# Altium PCB Video_Processing_Board.PcbDoc (part 1 of 3)
Units mm, origin at the board's own origin, x right, y up, seen from the top; angles counter-clockwise.
Board outline 40.63 x 59.74 mm, 6 copper layers (L1[SIG], L2[GND], L3[SIG], L4[PWR], L5[GND], L6[SIG]), stack 1.559 mm thick; 308 components, 259 nets, 1353 pads, 4 vias.
Unrouted connection lines stored in the file: 775.
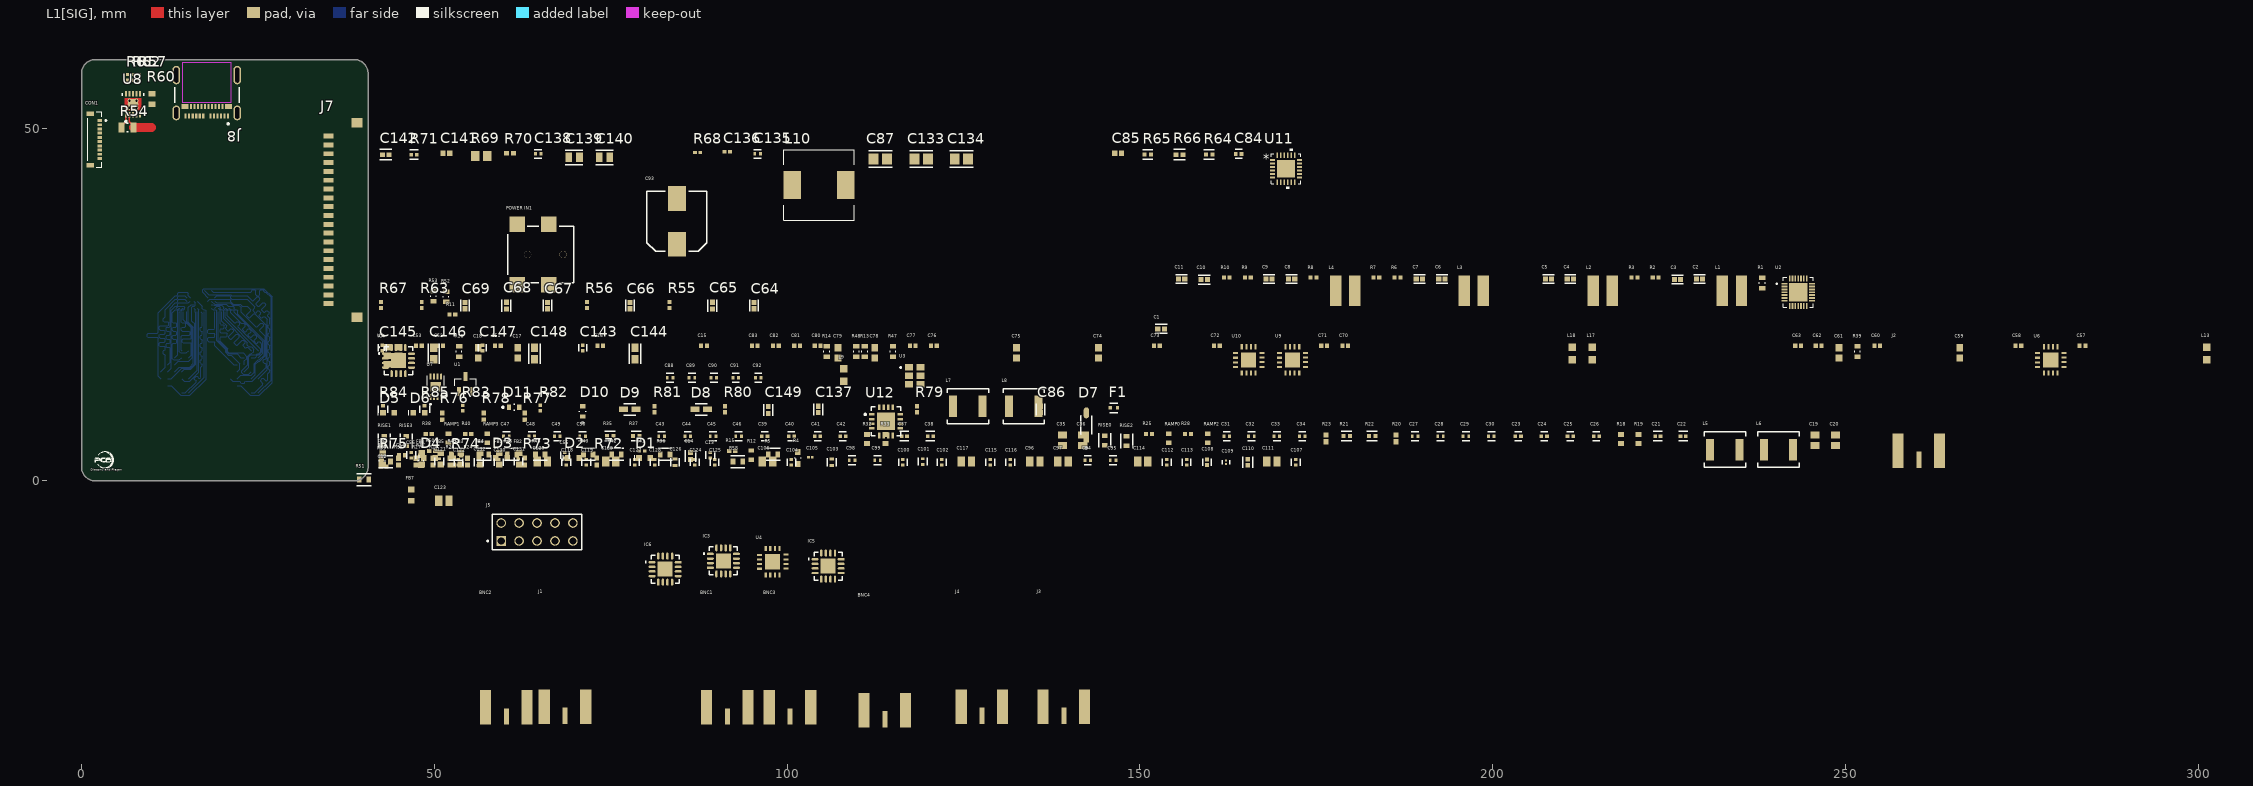
[diagram p0: L1[SIG] view]
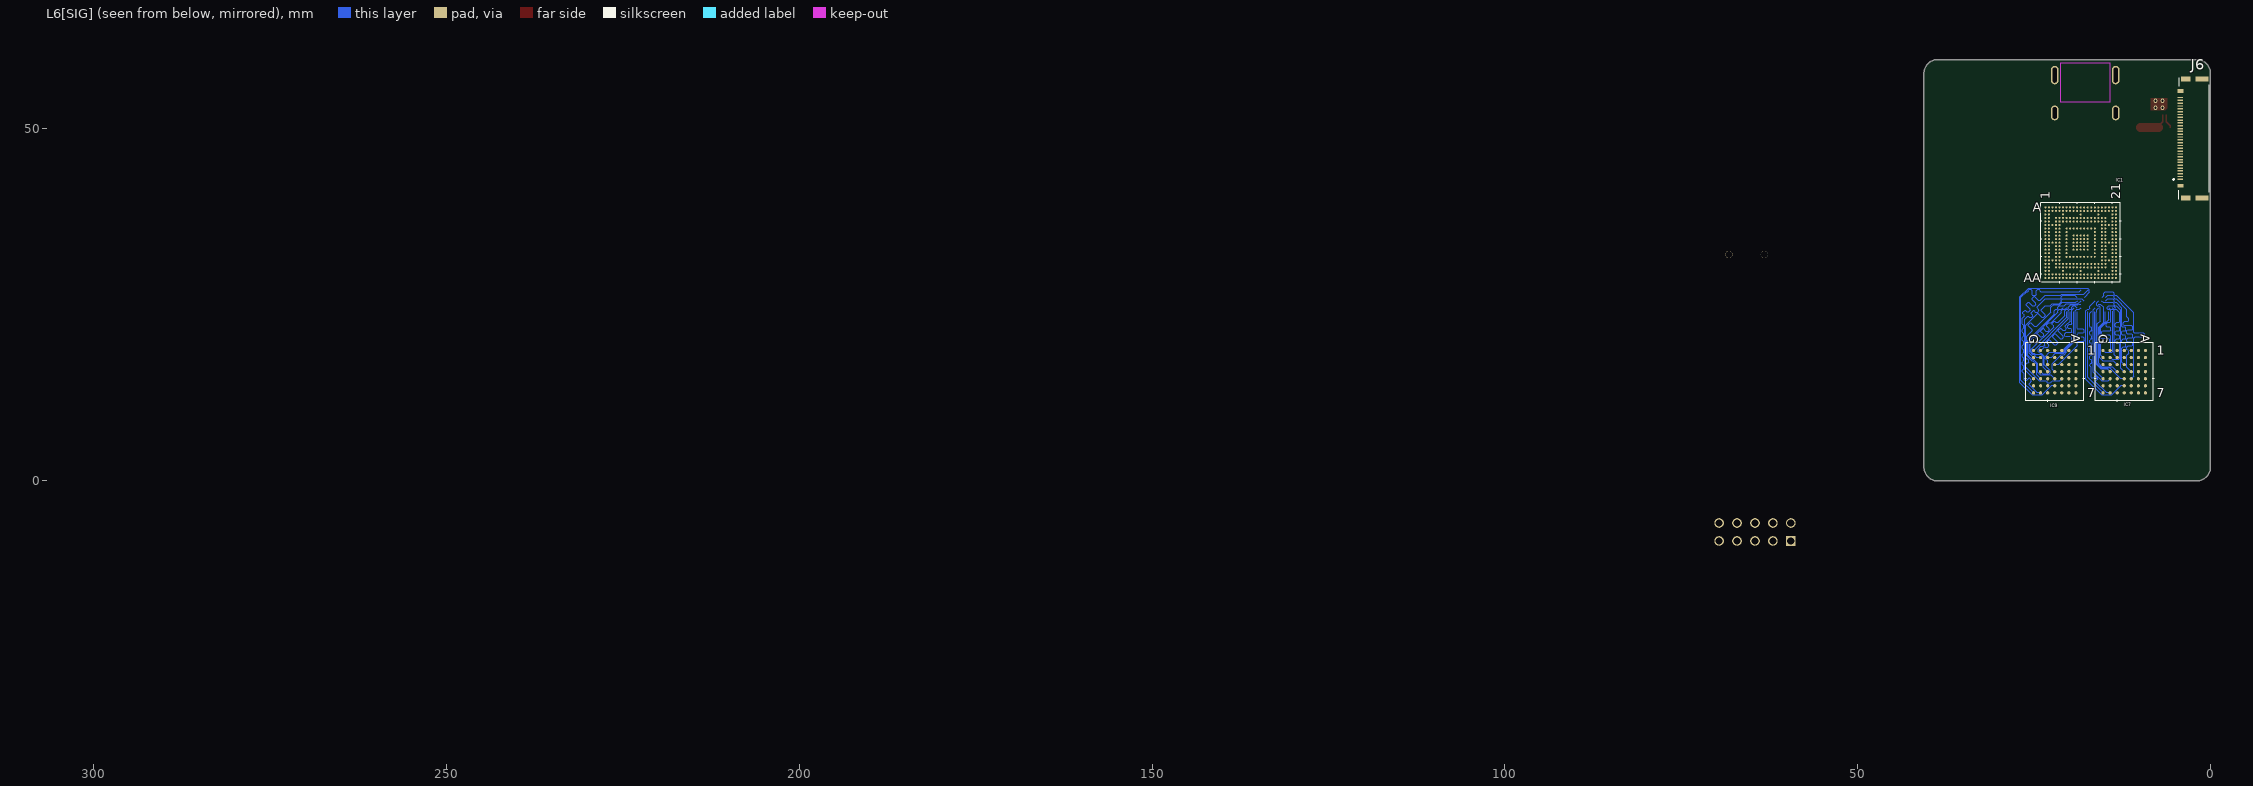
[diagram p1: L6[SIG] view, seen from below]

## Layer stack, top to bottom
Top Solder: solder mask 0.0203, Solder Resist, Dk 3.8
L1[SIG]: signal copper 0.0175
Dielectric 1: prepreg 0.1651, PP-015, Dk 4.7
L2[GND]: signal copper 0.035
Dielectric 2: core 0.3556, Core-024, Dk 4.7
L3[SIG]: signal copper 0.035
Dielectric 3: prepreg 0.3556, PP-017, Dk 4.7
L4[PWR]: signal copper 0.035
Dielectric 4: core 0.3557, Core-024, Dk 4.7
L5[GND]: signal copper 0.035
Dielectric 5: prepreg 0.1524, PP-015, Dk 4.7
L6[SIG]: signal copper 0.0175
Bottom Solder: solder mask 0.0203, Solder Resist, Dk 3.8

## Board outline
0,2 ccw(c2,2) 2,0 38.628,0 ccw(c38.628,2) 40.628,2 40.628,57.737 40.629,57.737 ccw(c38.629,57.737) 38.629,59.737 2,59.737 ccw(c2,57.737) 0,57.737

## Design rules (kind name [scope] priority, off if disabled: settings)
AssemblyTestPointUsage [All] p1 off: valid=2
AssemblyTestpoint [ispad and OnCopper and InComponent('TP*')] p1: testpointundercomponent=TRUE minsize=0.8 maxsize=2.5 preferedsize=1 minholesize=0 maxholesize=0 preferedholesize=0 testpointgrid=2.5 usegrid=FALSE gridoriginx=64 gridoriginy=115 gridtolerance=0.1 allowsidetop=TRUE minspacing=2.5
BoardOutlineClearance [All -InComponent('CON*') -InComponent('MH*')  -InPadClass('MH') -IsText and OnSilkscreen -IsArc and IsKeepOut  -InComponent('LAB4')] p1: gap=0.1 ignorepadtopadclearanceinfootprint=FALSE except(0: Arc-SplitContinuation Track-SplitContinuation SMDPad-SplitContinuation THPad-SplitContinuation Via-SplitContinuation Fill-SplitContinuation Poly-SplitContinuation Region-SplitContinuation Text-SplitContinuation)
Clearance Clearance_BGA [WithinRoom('BGA')] p1: gap=0.07 ignorepadtopadclearanceinfootprint=FALSE
Clearance "Clearance Common" [All] p2: gap=0.08 ignorepadtopadclearanceinfootprint=FALSE except(0.127: THPad-THPad THPad-Via Via-Via; 0.2: Fill-Fill Fill-Poly Fill-Region Poly-Poly Poly-Region Region-Region)
ComponentClearance [All] p1: gap=0.2 collisioncheckmode=3 verticalgap=0.5 showdistances=TRUE
DiffPairsRouting [IsDifferentialPair] p1: maxlimit=0.15 minlimit=0.15 mostfreqgap=0.15 toplayer_minwidth=0.08 toplayer_maxwidth=0.127 toplayer_prefwidth=0.127 midlayer1_minwidth=0.08 midlayer1_maxwidth=0.127 midlayer1_prefwidth=0.127 midlayer2_minwidth=0.08 midlayer2_maxwidth=0.127 midlayer2_prefwidth=0.127 midlayer3_minwidth=0.08 midlayer3_maxwidth=0.127 midlayer3_prefwidth=0.127 midlayer4_minwidth=0.08 midlayer4_maxwidth=0.127 midlayer4_prefwidth=0.127 bottomlayer_minwidth=0.08 bottomlayer_maxwidth=0.127 bottomlayer_prefwidth=0.127 maxuncoupledlength=12.7
FabricationTestPointUsage [All] p1: valid=2 allowmultiple=FALSE
FabricationTestPointUsage TestPointUsage [All] p2: valid=0 allowmultiple=FALSE
FabricationTestpoint [All] p1: side=1 testpointundercomponent=TRUE minsize=0.8 maxsize=2.5 preferedsize=1 minholesize=0 maxholesize=0 preferedholesize=0 testpointgrid=2.5 allowsidetop=TRUE usegrid=FALSE gridoriginx=64 gridoriginy=115 gridtolerance=0.1 minspacing=2.5 compbodyclearance=0.5 boardedgeclearance=0.5
FabricationTestpoint Testpoint [All] p2: side=3 testpointundercomponent=TRUE minsize=1.016 maxsize=2.54 preferedsize=1.524 minholesize=0 maxholesize=1.016 preferedholesize=0.813 testpointgrid=0.025 allowsidetop=TRUE allowsidebottom=TRUE usegrid=TRUE gridtolerance=0
Height [All] p1: minheight=0 maxheight=40 prefheight=1
HoleSize [All] p1: absolutevalues=TRUE maxlimit=15 minlimit=0.2 maxpercent=80.000 minpercent=20.000
HoleToHoleClearance HoleToHoleClearance_VIA [ISVIA vs IsVia] p1: gap=0.254 allowstackedmicrovias=TRUE
HoleToHoleClearance [All] p2: gap=0.5 allowstackedmicrovias=TRUE
MatchedLengths MatchedLengths_LVDS [InDifferentialPairClass('LVDS')] p1: tolerance=7 checknetsindiffpair=FALSE checkdiffpairvsdiffpair=TRUE checkxsignals=TRUE checkothers=TRUE
MatchedLengths MatchedLengths_LVDS_CH [InDifferentialPairClass('LVDS_CH')] p2: tolerance=2 checknetsindiffpair=FALSE checkdiffpairvsdiffpair=TRUE checkxsignals=TRUE checkothers=TRUE
MatchedLengths MatchedLengths_QSPI [InNetClass('QSPI')] p3: tolerance=5 checknetsindiffpair=FALSE checkdiffpairvsdiffpair=TRUE checkxsignals=TRUE checkothers=TRUE
MatchedLengths MatchedLengths_DRAM0 [InNetClass('DRAM0')] p4: tolerance=0.1 checknetsindiffpair=FALSE checkdiffpairvsdiffpair=TRUE checkxsignals=TRUE checkothers=TRUE
MatchedLengths MatchedLengths_DRAM1 [InNetClass('DRAM1')] p5: tolerance=0.1 checknetsindiffpair=FALSE checkdiffpairvsdiffpair=TRUE checkxsignals=TRUE checkothers=TRUE
MinimumAnnularRing [All] p1: minimumring=0.1
MinimumSolderMaskSliver [All] p1: minsoldermaskwidth=0
PlaneClearance [All] p1: clearance=0.5
PlaneConnect [OnLayer('ComponentLayers')] p1: planeconnectstyle=Direct reliefexpansion=0.508 reliefentries=4 reliefconductorwidth=0.254 reliefairgap=0.254
PolygonConnect Burried [InPadClass('Burried')] p1: connectstyle=Direct reliefconductorwidth=0.254 reliefentries=4 polygonreliefangle="90 Angle" airgapwidth=0.254
PolygonConnect PolygonConnect_SMT [IsPolygon vs IsSMTPin And IsComponentPad] p2: thpad.connectstyle=NoConnect thpad.reliefconductorwidth=0.5 thpad.reliefentries=4 thpad.polygonreliefangle="90 Angle" thpad.airgapwidth=0.25 smdpad.connectstyle=Relief smdpad.reliefconductorwidth=0.25 smdpad.reliefentries=4 smdpad.polygonreliefangle="90 Angle" smdpad.airgapwidth=0.25 via.connectstyle=Relief via.reliefconductorwidth=0.25 via.reliefentries=4 via.polygonreliefangle="90 Angle" via.airgapwidth=0.25
PolygonConnect "Vias in Planes" [IsVia] p3: connectstyle=Direct reliefconductorwidth=0.254 reliefentries=4 polygonreliefangle="90 Angle" airgapwidth=0.254
PolygonConnect "Pads in Planes" [IsPad] p4: connectstyle=Direct reliefconductorwidth=0.254 reliefentries=4 polygonreliefangle="90 Angle" airgapwidth=0.254
PolygonConnect [IsPolygon vs IsComponentPad] p5: connectstyle=Relief reliefconductorwidth=0.8 reliefentries=4 polygonreliefangle="45 Angle" airgapwidth=0.3
RoutingVias [All] p1: holewidth=0.2 width=0.45 viastyle="Through Hole" minholewidth=0.2 minwidth=0.45 maxholewidth=0.2 maxwidth=0.45
SilkToSilkClearance [All] p1 off: silktosilkclearance=0.25
SilkToSolderMaskClearance "Silkscreen to Copper" [IsPad] p1 off: minsilkscreentomaskgap=0.2 clearancetoexposedcopper=TRUE
SilkToSolderMaskClearance "Silkscreen to Soldermask" [IsPad] p2 off: minsilkscreentomaskgap=0.1 clearancetoexposedcopper=FALSE
SilkToSolderMaskClearance SilkscreenOverComponentPads [IsPad] p3: minsilkscreentomaskgap=0.254 clearancetoexposedcopper=TRUE
SolderMaskExpansion Pads [IsSMTPin or IsThruPin] p1: expansion=0.1 istentingtop=FALSE
SolderMaskExpansion Vias [IsVia] p2: expansion=0.1 istentingtop=FALSE
SolderMaskExpansion [All] p3: expansion=0.102 istentingtop=FALSE
SupplyNets "Schematic Supply Nets_13" [InNet('3P3V')] p1: voltage=0.000
SupplyNets "Schematic Supply Nets_12" [InNet('VCC1V2')] p2: voltage=0.000
SupplyNets "Schematic Supply Nets_11" [InNet('28V')] p3: voltage=0.000
SupplyNets "Schematic Supply Nets_10" [InNet('1PV8')] p4: voltage=0.000
SupplyNets "Schematic Supply Nets_9" [InNet('5V0')] p5: voltage=0.000
SupplyNets "Schematic Supply Nets_8" [InNet('VCC1V8')] p6: voltage=0.000
SupplyNets "Schematic Supply Nets_7" [InNet('VCC2V5')] p7: voltage=0.000
SupplyNets "Schematic Supply Nets_6" [InNet('VBUS')] p8: voltage=0.000
SupplyNets "Schematic Supply Nets_5" [InNet('MGTAVTT1V2')] p9: voltage=0.000
SupplyNets "Schematic Supply Nets_4" [InNet('GND')] p10: voltage=0.000
SupplyNets "Schematic Supply Nets_3" [InNet('VCC3V3')] p11: voltage=0.000
SupplyNets "Schematic Supply Nets_2" [InNet('VDD25')] p12: voltage=0.000
SupplyNets "Schematic Supply Nets_1" [InNet('VCC2V5_0.25A')] p13: voltage=0.000
SupplyNets "Schematic Supply Nets" [InNet('VCC1V0')] p14: voltage=0.000
ViasUnderSMD [InComponentClass('Power Parts') And InNet('B+') And IsStitchingVia] p1: allowed=TRUE
Width Width_BGA [WithinRoom('BGA')] p1: maxlimit=1 minlimit=0.07 preferedwidth=0.07
Width [InNetClass('All Nets')] p2: maxlimit=2 minlimit=0.07 preferedwidth=0.07
16 further rules are at their usual default settings.

## Classes and differential pairs
component class USBModule: C86 C137 C149 D7 D8 D9 D10 D11 F1 J8 R79 R80 R81 R82 R83 R84 R85 U12
component class FPGA_BANKS: D5 D6 R76 R77 R78
component class PMIC: C1 C2 C3 C4 C5 C6 C7 C8 C9 C10 C11 C64 C65 C66 C67 C68 C69 C84 C85 C87 C133 C134 C135 C136 C138 C139 C140 C141 C142 CON1 D1 D2 D3 D4 L1 L2 L3 L4 L10 R1 R2 R3 R6 R7 R8 R9 R10 R11 R54 R55 R56 R57 R60 R61 R62 R63 R64 R65 R66 R67 R68 R69 R70 R71 R72 R73 R74 R75 U2 U8 U11
net class LVDS: LVDS_CH0_N LVDS_CH0_P LVDS_CH1_N LVDS_CH1_P LVDS_CH2_N LVDS_CH2_P LVDS_CH3_N LVDS_CH3_P LVDS_CK_N LVDS_CK_P
component class "Power and Decoupling Capacitors": C88 C89 C90 C91 C92 C93 C94 C95 C96 C97 C98 C99 C100 C101 C102 C103 C104 C105 C106 C107 C108 C109 C110 C111 C112 C113 C114 C115 C116 C117 C118 C119 C120 C121 C122 C123 C124 C125 C126 C127 C128 C129 C130 C131 C132 R58 R59
component class "Output Transceivers": C12 C15 C16 C17 C18 C51 C52 C53 C54 C57 C58 C59 C60 C61 C62 C63 C70 C71 C72 C73 C74 C75 C76 C77 C78 C79 C80 C81 C82 C83 J1 J2 J3 J4 L9 L13 L17 L18 R13 R14 R16 R17 R34 R39 R47 R48 U3 U4 U5 U6 U9 U10
component class "Input Transceivers": BNC1 BNC2 BNC3 BNC4 C19 C20 C21 C22 C23 C24 C25 C26 C27 C28 C29 C30 C31 C32 C33 C34 C35 C36 C37 C38 C39 C40 C41 C42 C43 C44 C45 C46 C47 C48 C49 C50 FB1 FB2 FB3 FB4 FB5 FB6 FB7 FB8 IC3 IC4 IC5 IC6 L5 L6 L7 L8 "POWER IN1" R18 R19 R20 R21 R22 R23 R24 R25 R26 R27 R28 R29 R30 R31 R32 R33 R35 R37 R38 R40 RAMP0 RAMP1 RAMP2 RAMP3 RAMP4 RISE0 RISE1 RISE2 RISE3
component class Connector: C143 C144 C145 C146 C147 C148 J6 J7
net class DRAM1: DRAM1_CK_N DRAM1_CK_P DRAM1_DQ0 DRAM1_DQ1 DRAM1_DQ2 DRAM1_DQ3 DRAM1_DQ4 DRAM1_DQ5 DRAM1_DQ6 DRAM1_DQ7 DRAM1_DQ8 DRAM1_DQ9 DRAM1_DQ10 DRAM1_DQ11 DRAM1_DQ12 DRAM1_DQ13 DRAM1_DQ14 DRAM1_DQ15 DRAM1_RWDS0 DRAM1_RWDS1
net class DRAM0: DRAM0_CK_N DRAM0_CK_P DRAM0_DQ0 DRAM0_DQ1 DRAM0_DQ2 DRAM0_DQ3 DRAM0_DQ4 DRAM0_DQ5 DRAM0_DQ6 DRAM0_DQ7 DRAM0_DQ8 DRAM0_DQ9 DRAM0_DQ10 DRAM0_DQ11 DRAM0_DQ12 DRAM0_DQ13 DRAM0_DQ14 DRAM0_DQ15 DRAM0_RWDS0 DRAM0_RWDS1
component class DRAM+BANK1: IC1 IC7 IC9 R52 R53
component class "JTAG & Reset Connection": C13 C14 C55 C56 J5 R4 R5 R12 R15 R36 R41 R42 R43 R44 R45 R46 R49 R50 R51 U1 U7
differential pair MIPI_D3: +MIPI_D3_P -MIPI_D3_N
differential pair MIPI_D2: +MIPI_D2_P -MIPI_D2_N
differential pair MIPI_D1: +MIPI_D1_P -MIPI_D1_N
differential pair MIPI_D0: +MIPI_D0_P -MIPI_D0_N
differential pair MIPI_C: +MIPI_C_P -MIPI_C_N
differential pair LVDS_CK: +LVDS_CK_P -LVDS_CK_N
differential pair LVDS_CH3: +LVDS_CH3_P -LVDS_CH3_N
differential pair LVDS_CH2: +LVDS_CH2_P -LVDS_CH2_N
differential pair LVDS_CH1: +LVDS_CH1_P -LVDS_CH1_N
differential pair LVDS_CH0: +LVDS_CH0_P -LVDS_CH0_N
differential pair LVDS0_CLK_212_5MHZ: +LVDS0_CLK_212_5MHZ_P -LVDS0_CLK_212_5MHZ_N
differential pair LVDS0_CLK_148_5MHZ: +LVDS0_CLK_148_5MHZ_P -LVDS0_CLK_148_5MHZ_N
differential pair DRAM1_CK: +DRAM1_CK_P -DRAM1_CK_N
differential pair DRAM0_CK: +DRAM0_CK_P -DRAM0_CK_N

## Components (designator, comment, footprint, x,y, rotation, side; value= is the part's Value field where it differs from the comment)
BNC1 "Amphenol_BNC_HD_034_1018" "PCBComponent_1 - duplicate" 91.527,-32.748 r0 top
BNC2 "Amphenol_BNC_HD_034_1018" "PCBComponent_1 - duplicate" 60.227,-32.748 r0 top
BNC3 "Amphenol_BNC_HD_034_1018" "PCBComponent_1 - duplicate" 100.427,-32.748 r0 top
BNC4 "Amphenol_BNC_HD_034_1018" "PCBComponent_1 - duplicate" 113.838,-33.148 r0 top
C1 "EMK105BJ105KV-F" FP-0402-L_1_0_0_05-W_0_5-IPC_A#1 153.027,21.552 r0 top
C2 "GRM155R60J106ME44D" FP-GRM155-0_2-IPC_B 229.327,28.652 r0 top
C3 "GRM155R60J106ME44D" FP-GRM155-0_2-IPC_B 226.227,28.552 r0 top
C4 "GRM155R60J106ME44D" FP-GRM155-0_2-IPC_B 211.027,28.652 r0 top
C5 "GRM155R60J106ME44D" FP-GRM155-0_2-IPC_B 207.927,28.652 r0 top
C6 "GRM155R60J106ME44D" FP-GRM155-0_2-IPC_B 192.827,28.652 r0 top
C7 "GRM155R60J106ME44D" FP-GRM155-0_2-IPC_B 189.627,28.652 r0 top
C8 "GRM155R60J106ME44D" FP-GRM155-0_2-IPC_B 171.527,28.652 r0 top
C9 "GRM155R60J106ME44D" FP-GRM155-0_2-IPC_B 168.327,28.652 r0 top
C10 "EMK105BJ105KV-F" FP-0402-L_1_0_0_05-W_0_5-IPC_A#1 159.127,28.552 r0 top
C11 "GRM155R60J106ME44D" FP-GRM155-0_2-IPC_B 155.927,28.652 r0 top
C12 "10nF" 0402 42.827,2.052 r0 top
C13 "0.1uF/16V" FP-GRM15-MFG 89.127,3.652 r90 top value=0.10μF
C14 "1uF/16V" FP-0402-L_1_0_0_05-W_0_5-IPC_A#2 86.327,3.552 r90 top
C15 "10nF" 0402 88.227,19.152 r0 top
C16 "10nF" 0402 73.527,19.152 r0 top
C17 "33nF" 0603 61.827,18.152 r90 top
C18 "33nF" 0603 56.227,18.152 r90 top
C19 "1u" CAPC2013X135X45LL10T25 245.726,5.752 r90 top
C20 "1u" CAPC2013X135X45LL10T25 248.626,5.752 r90 top
C21 "10nF" FP-CL165-IPC_C 223.426,6.352 r0 top
C22 "10nF" FP-CL165-IPC_C 227.026,6.352 r0 top
C23 "100nF" FP-C0402-BB-MFG#1 203.627,6.352 r0 top value="0.10 μF"
C24 "100nF" FP-C0402-BB-MFG#1 207.327,6.352 r0 top value="0.10 μF"
C25 "100nF" FP-C0402-BB-MFG#1 211.026,6.352 r0 top value="0.10 μF"
C26 "100nF" FP-C0402-BB-MFG#1 214.726,6.352 r0 top value="0.10 μF"
C27 "100nF" FP-GRM15-MFG 189.027,6.352 r0 top value=0.10μF
C28 "100nF" FP-GRM15-MFG 192.627,6.352 r0 top value=0.10μF
C29 "100nF" FP-GRM15-MFG 196.227,6.352 r0 top value=0.10μF
C30 "100nF" FP-GRM15-MFG 199.827,6.352 r0 top value=0.10μF
C31 "100nF" FP-GRM15-MFG 162.327,6.352 r0 top value=0.10μF
C32 "100nF" FP-GRM15-MFG 165.827,6.352 r0 top value=0.10μF
C33 "100nF" FP-GRM15-MFG 169.427,6.352 r0 top value=0.10μF
C34 "100nF" FP-GRM15-MFG 173.027,6.352 r0 top value=0.10μF
C35 "1u" CAPC2013X135X45LL10T25 139.027,5.752 r90 top
C36 "1u" CAPC2013X135X45LL10T25 141.927,5.752 r90 top
C37 "10nF" FP-CL165-IPC_C 116.627,6.352 r0 top
C38 "10nF" FP-CL165-IPC_C 120.327,6.352 r0 top
C39 "100nF" FP-C0402-BB-MFG#1 96.827,6.352 r0 top value="0.10 μF"
C40 "100nF" FP-C0402-BB-MFG#1 100.627,6.352 r0 top value="0.10 μF"
C41 "100nF" FP-C0402-BB-MFG#1 104.327,6.352 r0 top value="0.10 μF"
C42 "100nF" FP-C0402-BB-MFG#1 107.927,6.352 r0 top value="0.10 μF"
C43 "100nF" FP-GRM15-MFG 82.227,6.352 r0 top value=0.10μF
C44 "100nF" FP-GRM15-MFG 85.927,6.352 r0 top value=0.10μF
C45 "100nF" FP-GRM15-MFG 89.527,6.352 r0 top value=0.10μF
C46 "100nF" FP-GRM15-MFG 93.127,6.352 r0 top value=0.10μF
C47 "100nF" FP-GRM15-MFG 60.227,6.352 r0 top value=0.10μF
C48 "100nF" FP-GRM15-MFG 63.827,6.352 r0 top value=0.10μF
C49 "100nF" FP-GRM15-MFG 67.427,6.352 r0 top value=0.10μF
C50 "100nF" FP-GRM15-MFG 71.027,6.352 r0 top value=0.10μF
C51 "100nF" 0402 59.027,19.152 r0 top
C52 "100nF" 0402 50.827,19.152 r0 top
C53 "10nF" 0402 47.827,19.152 r0 top
C54 "10nF" 0402 45.427,3.652 r0 top
C55 "0.1uF/16V" FP-GRM15-MFG 68.527,3.652 r90 top value=0.10μF
C56 "0.1uF/16V" FP-GRM15-MFG 46.727,3.652 r90 top value=0.10μF
C57 "10nF" 0402 283.626,19.152 r0 top
C58 "10nF" 0402 274.526,19.152 r0 top
C59 "33nF" 0603 266.226,18.152 r90 top
C60 "100nF" 0402 254.526,19.152 r0 top
C61 "33nF" 0603 249.126,18.152 r90 top
C62 "100nF" 0402 246.226,19.152 r0 top
C63 "10nF" 0402 243.326,19.152 r0 top
C64 "GRM155R60J106ME44D" FP-GRM155-0_2-IPC_B 95.327,24.852 r90 top
C65 "EMK105BJ105KV-F" FP-0402-L_1_0_0_05-W_0_5-IPC_A#1 89.427,24.852 r90 top
C66 "GRM155R60J106ME44D" FP-GRM155-0_2-IPC_B 77.727,24.852 r90 top
C67 "GRM155R60J106ME44D" FP-GRM155-0_2-IPC_B 66.027,24.852 r90 top
C68 "EMK105BJ105KV-F" FP-0402-L_1_0_0_05-W_0_5-IPC_A#1 60.227,24.852 r90 top
C69 "GRM155R60J106ME44D" FP-GRM155-0_2-IPC_B 54.327,24.852 r90 top
C70 "10nF" 0402 179.127,19.152 r0 top
C71 "10nF" 0402 176.127,19.152 r0 top
C72 "10nF" 0402 160.927,19.152 r0 top
C73 "10nF" 0402 152.427,19.152 r0 top
C74 "33nF" 0603 144.127,18.152 r90 top
C75 "33nF" 0603 132.527,18.152 r90 top
C76 "100nF" 0402 120.827,19.152 r0 top
C77 "100nF" 0402 117.827,19.152 r0 top
C78 "33nF" 0603 112.427,18.152 r90 top
C79 "33nF" 0603 107.227,18.152 r90 top
C80 "100nF" 0402 104.327,19.152 r0 top
C81 "100nF" 0402 101.427,19.152 r0 top
C82 "10nF" 0402 98.427,19.152 r0 top
C83 "10nF" 0402 95.427,19.152 r0 top
C84 "C0402C390J5GACTU" FP-C0402-BB-MFG#1 164.027,46.352 r0 top value="39 pF"
C85 "1nF 50V" CAPC1005X55X25ML5T10 146.927,46.452 r0 top
C86 "GRM155R60J106ME44D" FP-GRM155-0_2-IPC_B 135.927,10.152 r90 top
C87 "22uF/16V" FP-0805-L_2_0_0_2-W_1_25-IPC_A 113.227,45.652 r0 top
C88 "0.1uF/16V" FP-GRM15-MFG 83.427,14.652 r0 top value=0.10μF
C89 "0.1uF/16V" FP-GRM15-MFG 86.527,14.652 r0 top value=0.10μF
C90 "0.1uF/16V" FP-GRM15-MFG 89.627,14.652 r0 top value=0.10μF
C91 "0.1uF/16V" FP-GRM15-MFG 92.727,14.652 r0 top value=0.10μF
C92 "0.1uF/16V" FP-GRM15-MFG 95.927,14.652 r0 top value=0.10μF
C93 "330uF/10V" NIC-CAPA2-8X10_V 84.4,36.8 r90 top
C94 "0.1uF/16V" FP-GRM15-MFG 142.627,2.952 r0 top value=0.10μF
C95 "0.1uF/16V" FP-GRM15-MFG 146.227,2.952 r0 top value=0.10μF
C96 "47uF/10V" CAPC2014X135X70LL20 135.127,2.752 r0 top
C97 "47uF/10V" CAPC2014X135X70LL20 139.127,2.752 r0 top
C98 "0.1uF/16V" FP-GRM15-MFG 109.227,2.952 r0 top value=0.10μF
C99 "0.1uF/16V" FP-GRM15-MFG 112.827,2.952 r0 top value=0.10μF
C100 "0.1uF/16V" FP-GRM15-MFG 116.427,2.652 r90 top value=0.10μF
C101 "0.1uF/16V" FP-GRM15-MFG 119.227,2.752 r90 top value=0.10μF
C102 "0.1uF/16V" FP-GRM15-MFG 121.927,2.652 r90 top value=0.10μF
C103 "10uF/10V" FP-CL05A106MP5NUNC-MFG 106.327,2.652 r90 top value=10uF
C104 "0.1uF/16V" FP-GRM15-MFG 100.627,2.652 r90 top value=0.10μF
C105 "1000pF/16V" CAPC0603X33X15LL03T05 103.327,3.352 r0 top
C106 "47uF/10V" CAPC2014X135X70LL20 97.227,2.752 r0 top
C107 "0.1uF/16V" FP-GRM15-MFG 172.127,2.652 r90 top value=0.10μF
C108 "2200pF/10V" FP-C0402-BB-MFG#1 159.527,2.652 r90 top value="2,200 pF"
C109 "4.7nF/16V" FP-CC0201-BA-MFG 162.227,2.652 r90 top value="4.7 nF"
C110 "10nF" FP-0402-L_1_0_1-W_0_5_0_1-IPC_B 165.327,2.652 r90 top
C111 "47uF/10V" CAPC2014X135X70LL20 168.727,2.752 r0 top
C112 "0.1uF/16V" FP-GRM15-MFG 153.827,2.652 r90 top value=0.10μF
C113 "0.1uF/16V" FP-GRM15-MFG 156.627,2.652 r90 top value=0.10μF
C114 "47uF/10V" CAPC2014X135X70LL20 150.427,2.752 r0 top
C115 "0.1uF/16V" FP-GRM15-MFG 128.827,2.652 r90 top value=0.10μF
C116 "0.1uF/16V" FP-GRM15-MFG 131.627,2.652 r90 top value=0.10μF
C117 "47uF/10V" CAPC2014X135X70LL20 125.427,2.752 r0 top
C118 "0.1uF/16V" FP-GRM15-MFG 68.727,2.652 r90 top value=0.10μF
C119 "0.1uF/16V" FP-GRM15-MFG 71.527,2.652 r90 top value=0.10μF
C120 "47uF/10V" CAPC2014X135X70LL20 65.327,2.752 r0 top
C121 "0.1uF/16V" FP-GRM15-MFG 50.727,2.752 r90 top value=0.10μF
C122 "0.1uF/16V" FP-GRM15-MFG 53.427,2.652 r90 top value=0.10μF
C123 "47uF/10V" CAPC2014X135X70LL20 51.357,-2.8 r0 top
C124 "0.1uF/16V" FP-GRM15-MFG 86.927,2.652 r90 top value=0.10μF
C125 "0.1uF/16V" FP-GRM15-MFG 89.727,2.652 r90 top value=0.10μF
C126 "10uF/10V" FP-CL05A106MP5NUNC-MFG 84.127,2.652 r90 top value=10uF
C127 "0.1uF/16V" FP-GRM15-MFG 78.427,2.652 r90 top value=0.10μF
C128 "0.1uF/16V" FP-GRM15-MFG 81.227,2.652 r90 top value=0.10μF
C129 "47uF/10V" CAPC2014X135X70LL20 75.027,2.752 r0 top
C130 "0.1uF/16V" FP-GRM15-MFG 59.127,2.652 r90 top value=0.10μF
C131 "0.1uF/16V" FP-GRM15-MFG 61.927,2.752 r90 top value=0.10μF
C132 "10uF/10V" FP-CL05A106MP5NUNC-MFG 56.327,2.652 r90 top value=10uF
C133 "22uF/16V" FP-0805-L_2_0_0_2-W_1_25-IPC_A 119.027,45.652 r0 top
C134 "22uF/16V" FP-0805-L_2_0_0_2-W_1_25-IPC_A 124.727,45.652 r0 top
C135 "0.1uF/16V" FP-GRM15-MFG 95.827,46.352 r0 top value=0.10μF
C136 "10nF 50V" CAPC1005X55X30LL05T10 91.527,46.652 r0 top
C137 "GRM155R60J106ME44D" FP-GRM155-0_2-IPC_B 104.427,10.152 r90 top
C138 "0.1uF" FP-GRM15-MFG 64.727,46.352 r0 top value=0.10μF
C139 "47uF 6.3V" FP-C0805C476M9PACTU-MFG 69.827,45.852 r0 top
C140 "47uF 6.3V" FP-C0805C476M9PACTU-MFG 74.127,45.852 r0 top
C141 "100pF 50v" CAPC1005X55X25ML05T10 51.727,46.452 r0 top
C142 "C1005X5R1C225K050BC" FP-C1005-050-0_05-IPC_A 43.127,46.252 r0 top
C143 "C0402C104K8PACTU" FP-C0402-BB-MFG#2 71.027,18.852 r90 top value="0.10 μF"
C144 "GRM188R60J106ME47D" FP-GRM188-0_1-e0_2_0_55-IPC_A 78.427,18.052 r90 top
C145 "C0402C104K8PACTU" FP-C0402-BB-MFG#2 42.627,18.852 r90 top value="0.10 μF"
C146 "GRM188R60J106ME47D" FP-GRM188-0_1-e0_2_0_55-IPC_A 49.927,18.052 r90 top
C147 "C0402C104K8PACTU" FP-C0402-BB-MFG#2 56.827,18.852 r90 top value="0.10 μF"
C148 "GRM188R60J106ME47D" FP-GRM188-0_1-e0_2_0_55-IPC_A 64.227,18.052 r90 top
C149 "EMK105BJ105KV-F" FP-0402-L_1_0_0_05-W_0_5-IPC_A#1 97.327,10.052 r90 top
CON1 "SM10B-XSRS-ETB(LF)(SN)" SM10B-XSRS-ETB 1.85,48.4 r270 top
D1 "150060RS75000" WL-SMCW_0603_150060xx75000 79.827,3.252 r0 top
D2 "150060RS75000" WL-SMCW_0603_150060xx75000 69.727,3.252 r0 top
D3 "150060RS75000" WL-SMCW_0603_150060xx75000 59.527,3.252 r0 top
D4 "150060RS75000" WL-SMCW_0603_150060xx75000 49.327,3.252 r0 top
D5 "150060RS75000" WL-SMCW_0603_150060xx75000 43.527,9.652 r0 top
D6 "150060RS75000" WL-SMCW_0603_150060xx75000 47.827,9.652 r0 top
D7 "1N5819HW-7-F" FP-SOD123-IPC_A 142.427,7.952 r90 top
D8 "PGB1010603MR" FP-PGB1-0603-CA-MFG 87.827,10.152 r0 top
D9 "PGB1010603MR" FP-PGB1-0603-CA-MFG 77.727,10.152 r0 top
D10 "TLMP1100-GS08" FP-6_541-5056_01-4-MFG 71.027,9.852 r90 top
D11 "TLMP1100-GS08" FP-6_541-5056_01-4-MFG 61.327,10.452 r0 top